# Altium PCB PCB.PcbDoc
Units mil, origin at the board's own origin, x right, y up, seen from the top; angles counter-clockwise.
Board outline 1574.8 x 1574.8 mil, 4 copper layers (Top Layer, Layer 1, Layer 2, Bottom Layer), stack 23.756 mil thick; 100 components, 88 nets, 359 pads, 344 vias.
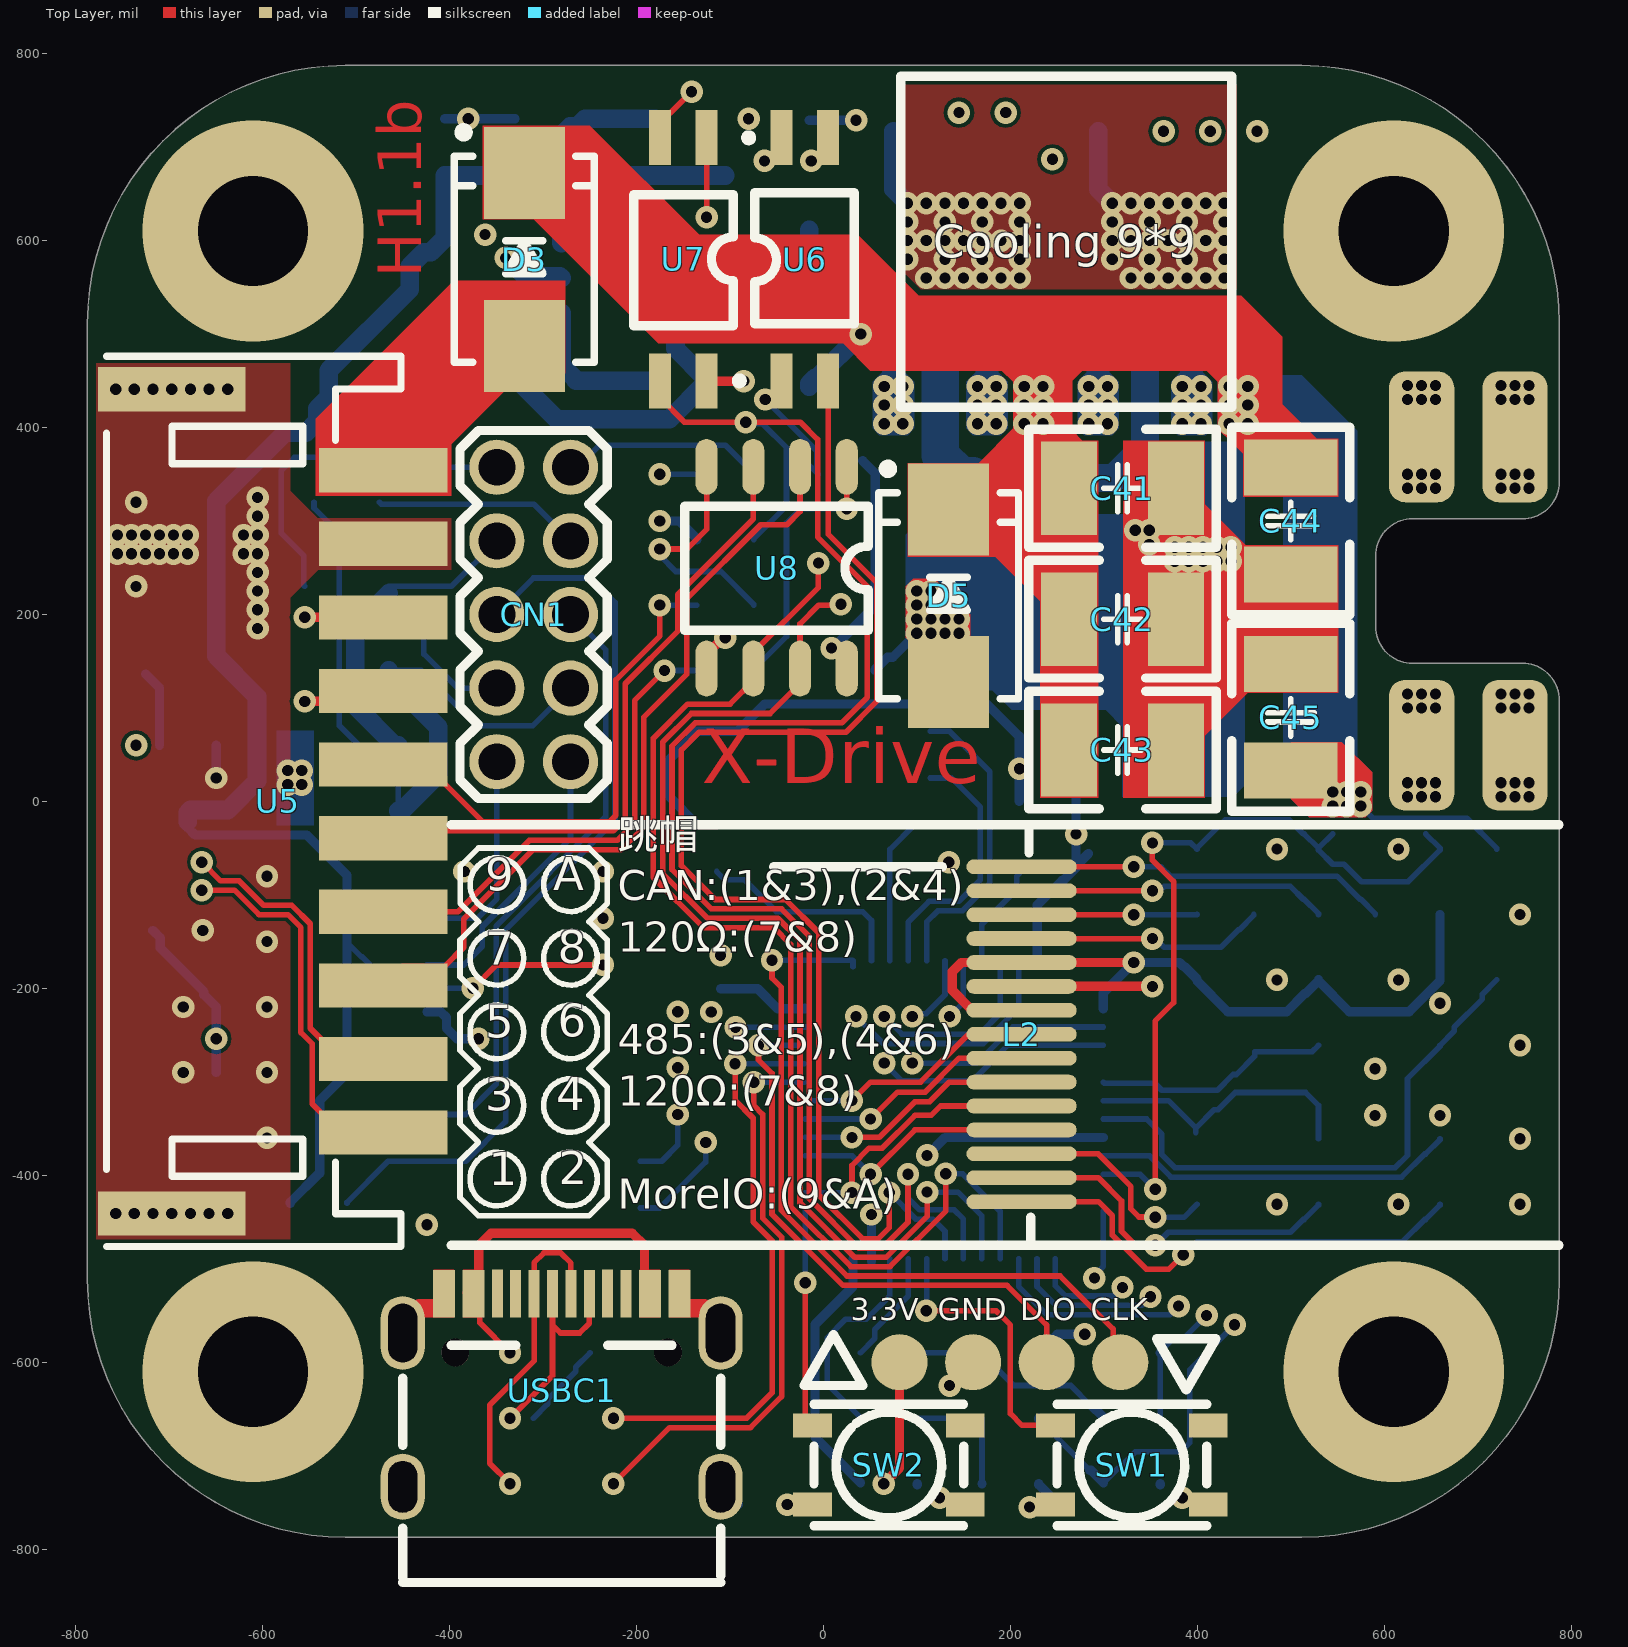
[diagram p0: Top Layer view]
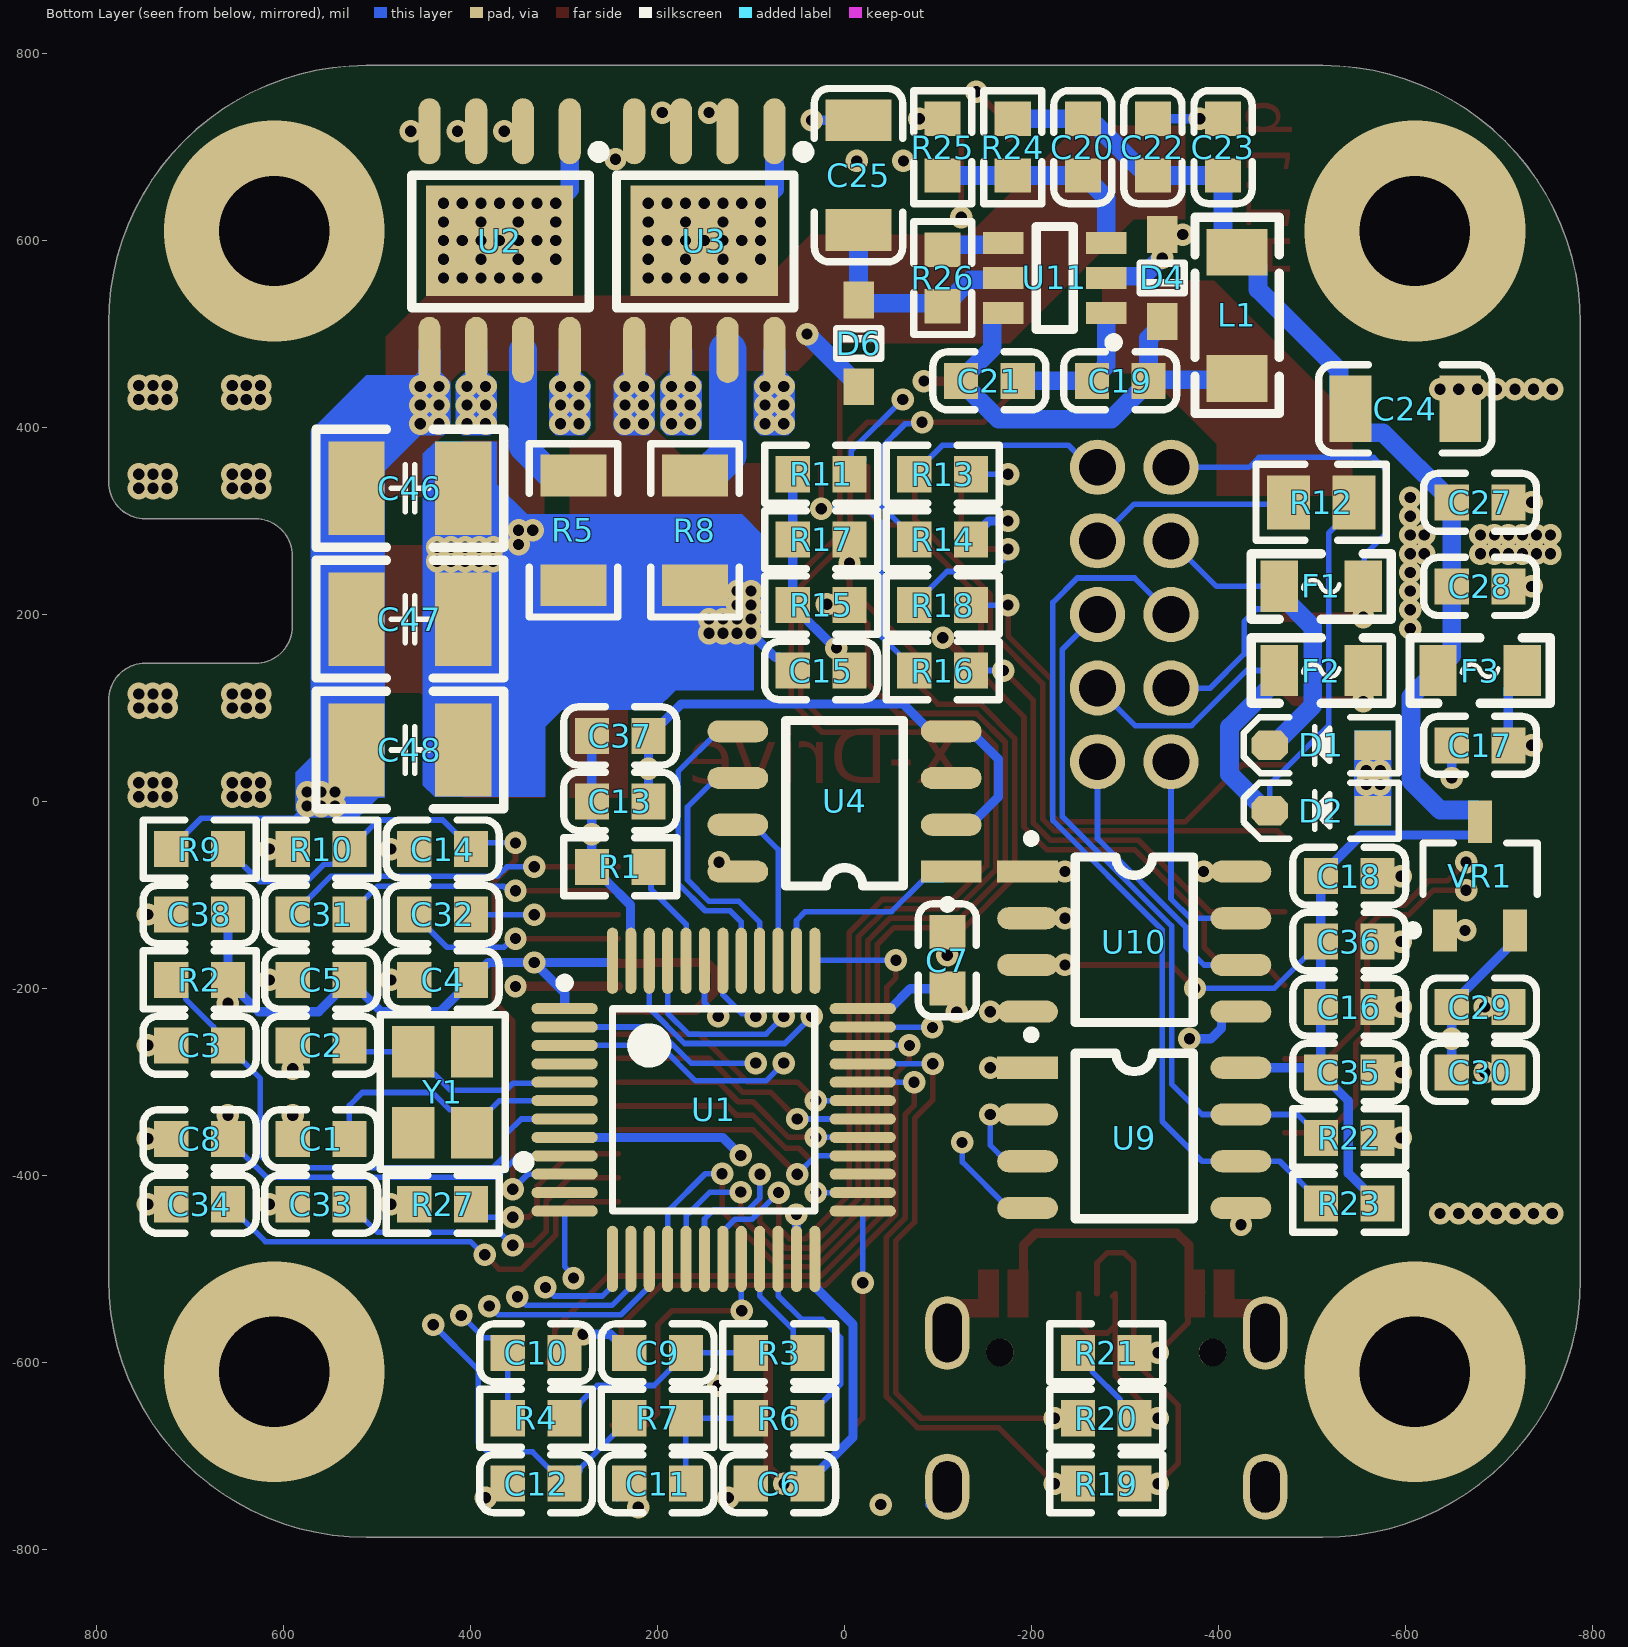
[diagram p1: Bottom Layer view, seen from below]
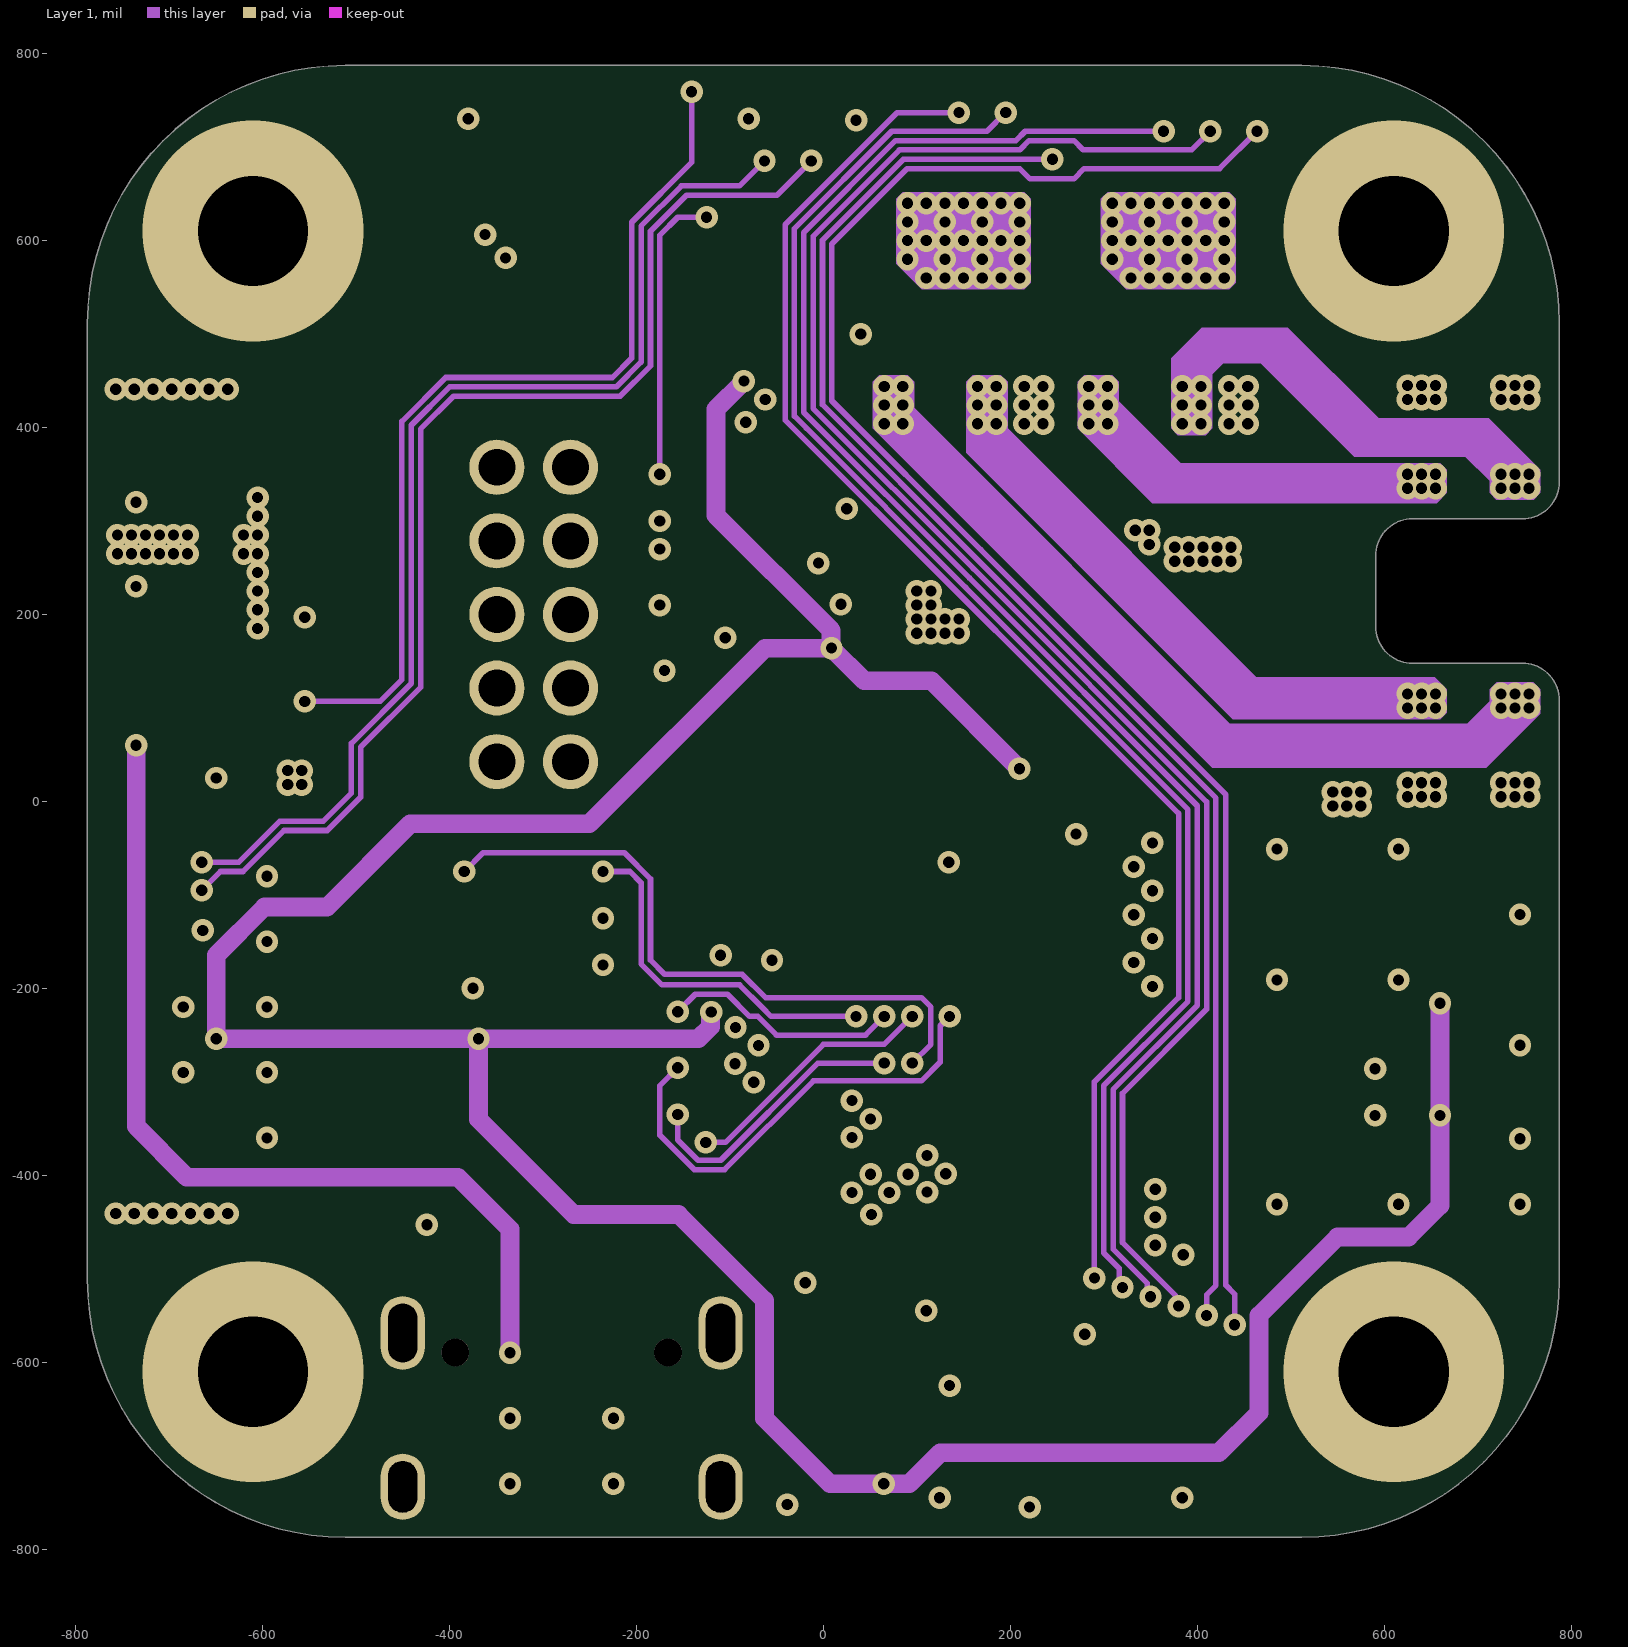
[diagram p2: Layer 1]
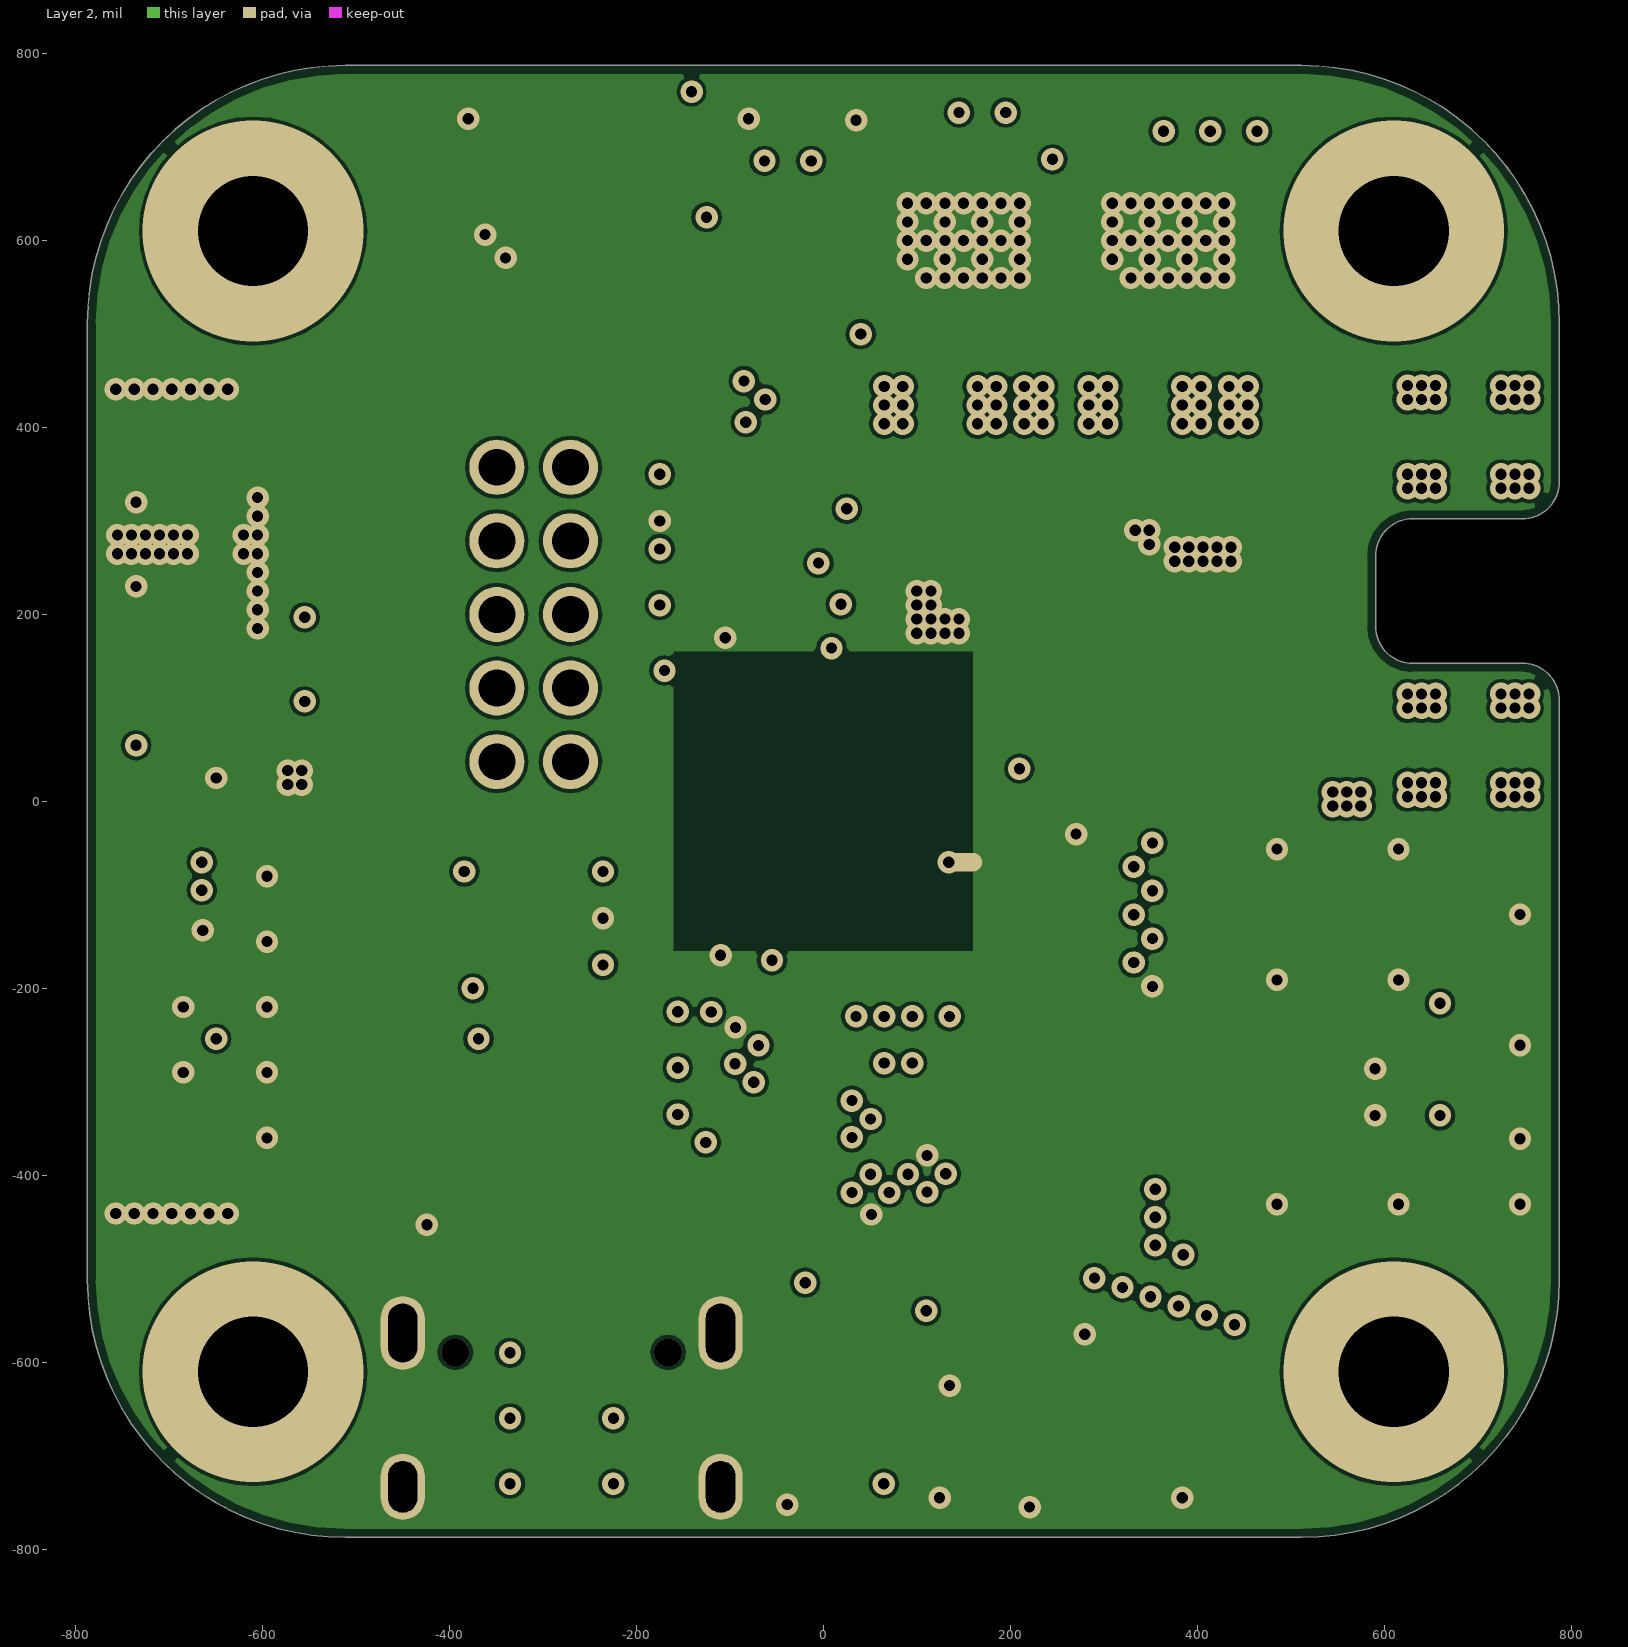
[diagram p3: Layer 2]
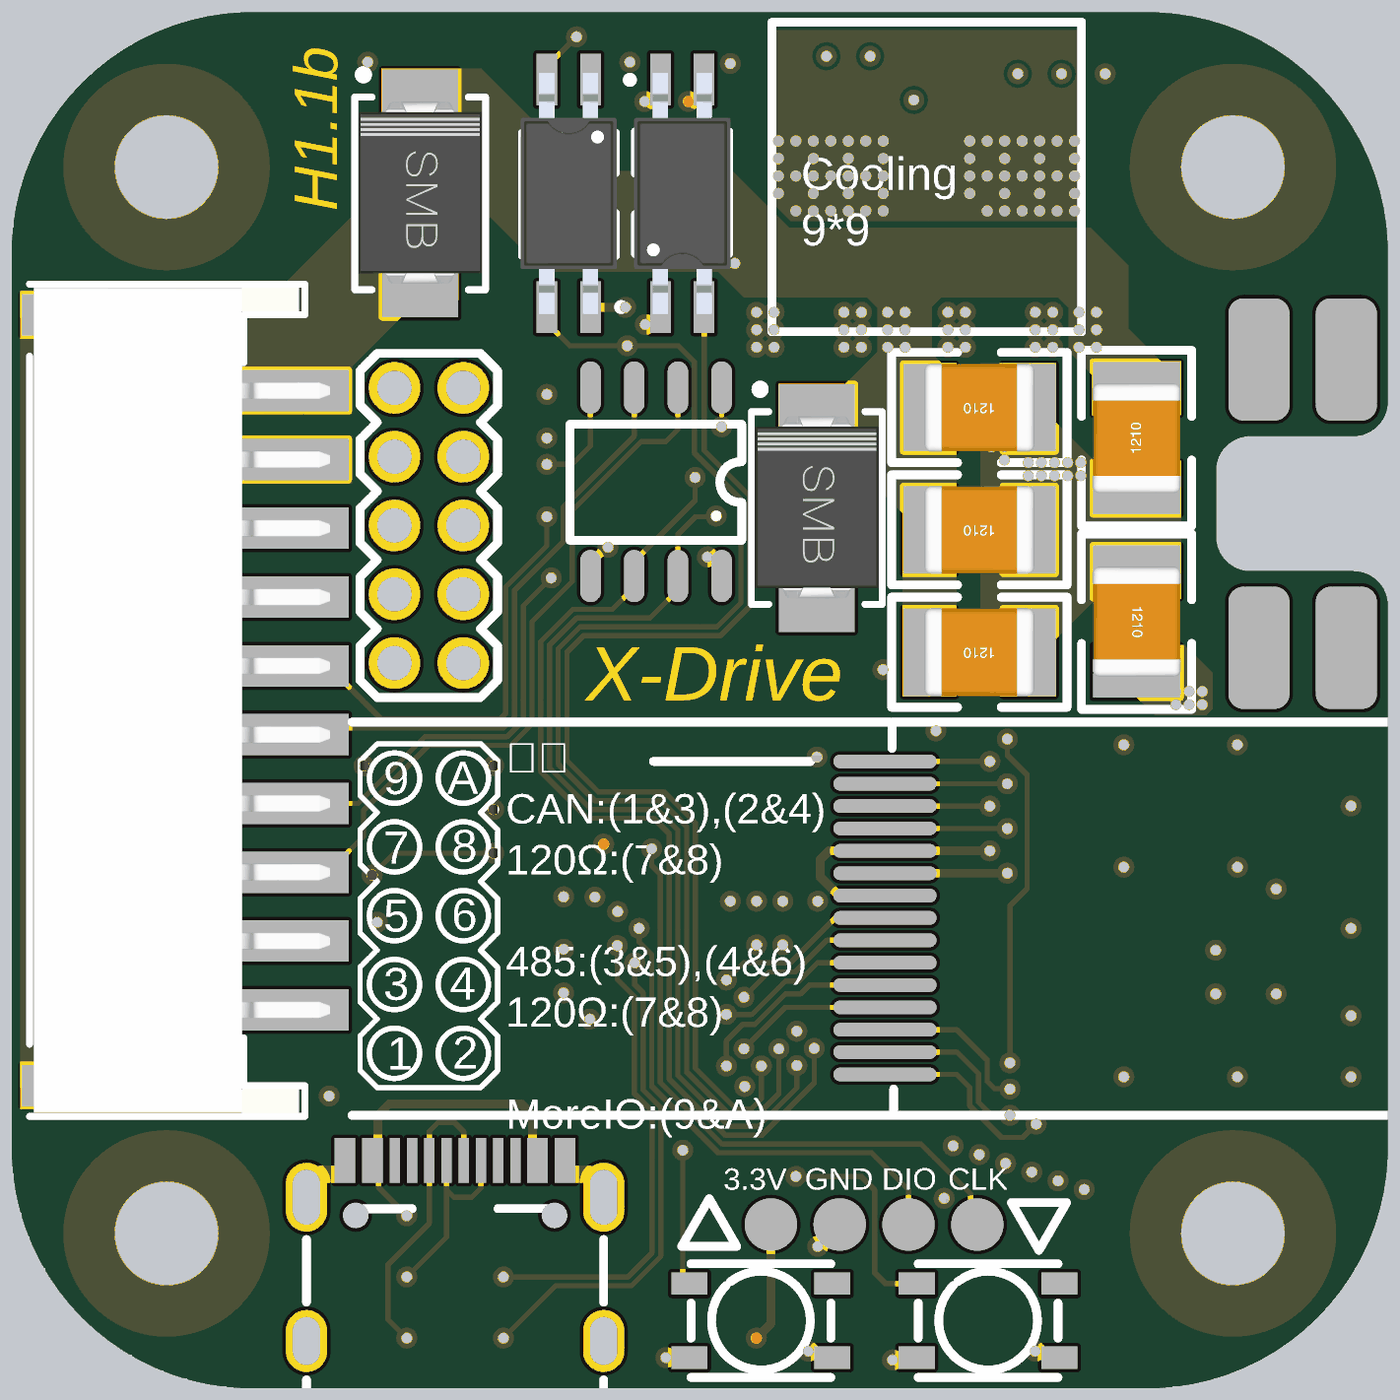
[diagram p4: 3D render of the assembled board from above, using the file's embedded part models]
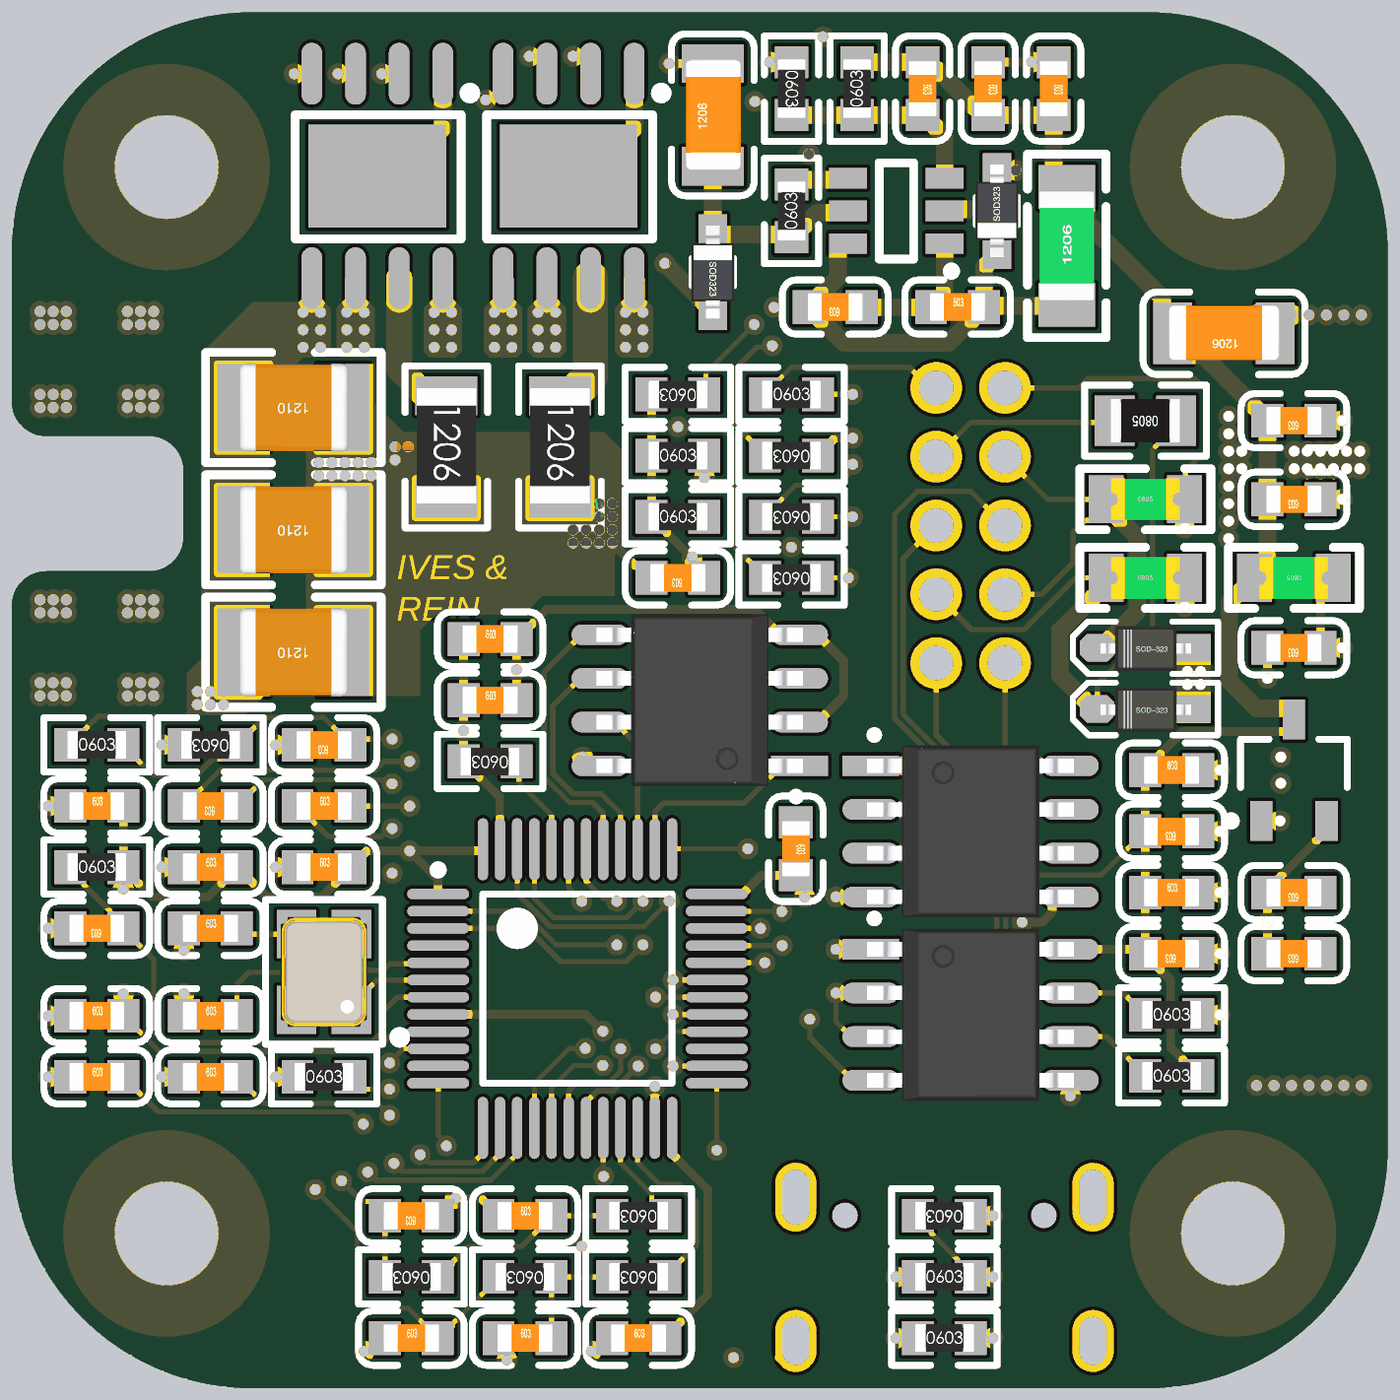
[diagram p5: 3D render of the assembled board from below, using the file's embedded part models]

## Layer stack, top to bottom
Top Solder: solder mask 0.4, Solder Resist, Dk 3.5
Top Layer: signal copper 1.4
Dielectric 2: prepreg 2.8, PP-006, Dk 4.1
Layer 1: signal copper 1.378
Dielectric 1: dielectric 12.6, FR-4, Dk 4.8
Layer 2: signal copper 1.378
Dielectric 3: prepreg 2.8, PP-006, Dk 4.1
Bottom Layer: signal copper 1.4
Bottom Solder: solder mask 0.4, Solder Resist, Dk 3.5

## Board outline
-787.4,-511.81 ccw(c-511.81,-511.81) -511.81,-787.4 511.81,-787.4 ccw(c511.81,-511.81) 787.4,-511.81 787.4,108.35 ccw(c748.03,108.35) 748.03,147.72 630.24,147.72 cw(c630.24,187.09) 590.87,187.09 590.87,262.91 cw(c630.24,262.91) 630.24,302.28 748.03,302.28 ccw(c748.03,341.65) 787.4,341.65 787.4,511.81 ccw(c511.81,511.81) 511.81,787.4 -511.81,787.4 ccw(c-511.81,511.81) -787.4,511.81

## Design rules (kind name [scope] priority, off if disabled: settings)
Clearance [All] p1: gap=4 ignorepadtopadclearanceinfootprint=FALSE
ComponentClearance [All] p1: gap=0 collisioncheckmode=3 verticalgap=10 showdistances=TRUE
PolygonConnect [All] p1: connectstyle=Direct reliefconductorwidth=10 reliefentries=4 polygonreliefangle="90 Angle" airgapwidth=10
RoutingVias [All] p1: holewidth=12 width=24 viastyle="Through Hole" minholewidth=8 minwidth=18 maxholewidth=1200 maxwidth=2400
SolderMaskExpansion [All] p1: expansion=4 istentingtop=FALSE
Width [All] p1: maxlimit=100 minlimit=4 preferedwidth=6
29 further rules are at their usual default settings.

## Classes and differential pairs
component class UI: C31 C32 C33 C34 C38 L2 R27 SW1 SW2
component class Sensor: C13 C14 C37 R9 R10 U4
component class Power: C19 C20 C21 C22 C23 C24 C25 C27 C28 C29 C30 C41 C42 C43 C44 C45 C46 C47 C48 D3 D4 D5 D6 F3 L1 R24 R25 R26 U11 VR1
component class Port: C15 C16 C17 C18 C35 C36 CN1 D1 D2 F1 F2 R11 R12 R13 R14 R15 R16 R17 R18 R19 R20 R21 R22 R23 T1 U5 U6 U7 U8 U9 U10 USBC1
component class MCU: C1 C2 C3 C4 C5 C6 C7 C8 R1 R2 U1 Y1
component class Drive: C9 C10 C11 C12 R3 R4 R5 R6 R7 R8 U2 U3

## Components (designator, comment, footprint, x,y, rotation, side; value= is the part's Value field where it differs from the comment)
C1 "20pF (200) 5% 50V" 0603_C 560,-361 r180 bottom
C2 "20pF (200) 5% 50V" 0603_C 560,-261 r180 bottom
C3 "100nF (104) 10% 50V" 0603_C 690,-261 r0 bottom
C4 "100nF (104) 10% 50V" 0603_C 430,-191 r180 bottom
C5 "100nF (104) 10% 50V" 0603_C 560,-191 r180 bottom
C6 "100nF (104) 10% 50V" 0603_C 70,-730 r180 bottom
C7 "100nF (104) 10% 50V" 0603_C -110,-170 r270 bottom
C8 "100nF (104) 10% 50V" 0603_C 690,-361 r180 bottom
C9 "100nF (104) 10% 50V" 0603_C 200,-590 r180 bottom
C10 "100nF (104) 10% 50V" 0603_C 330,-590 r0 bottom
C11 "100nF (104) 10% 50V" 0603_C 200,-730 r180 bottom
C12 "100nF (104) 10% 50V" 0603_C 330,-730 r180 bottom
C13 "100nF (104) 10% 50V" 0603_C 240,0 r180 bottom
C14 "100nF (104) 10% 50V" 0603_C 430,-51 r0 bottom
C15 "10uF (106) 10% 10V" 0603_C 25,140 r0 bottom
C16 "100nF (104) 10% 50V" 0603_C -540,-220 r180 bottom
C17 "100nF (104) 10% 50V" 0603_C -680,60 r0 bottom
C18 "100nF (104) 10% 50V" 0603_C -540,-80 r180 bottom
C19 "100nF (104) 10% 50V" 0603_C -295,450 r180 bottom
C20 "100pF (101) 5% 50V" 0603_C -255,700 r270 bottom
C21 "100nF (104) 10% 50V" 0603_C -155,450 r0 bottom
C22 "100nF (104) 10% 50V" 0603_C -330,700 r270 bottom
C23 "10uF (106) 10% 10V" 0603_C -405,700 r270 bottom
C24 "47uF (106) 20% 10V" 1206_C -600,420 r0 bottom
C25 "4.7uF (475) 10% 50V" 1206_C -15,670 r90 bottom
C27 "100nF (104) 10% 50V" 0603_C -680,320 r0 bottom
C28 "10uF (106) 10% 10V" 0603_C -680,230 r0 bottom
C29 "100nF (104) 10% 50V" 0603_C -680,-220 r0 bottom
C30 "10uF (106) 10% 10V" 0603_C -680,-290 r0 bottom
C31 "1uF (105) 10% 16V" 0603_C 560,-121 r0 bottom
C32 "1uF (105) 10% 16V" 0603_C 430,-121 r180 bottom
C33 "1uF (105) 10% 16V" 0603_C 560,-431 r180 bottom
C34 "1uF (105) 10% 16V" 0603_C 690,-431 r180 bottom
C35 "10uF (106) 10% 10V" 0603_C -540,-290 r0 bottom
C36 "10uF (106) 10% 10V" 0603_C -540,-150 r0 bottom
C37 "10uF (106) 10% 10V" 0603_C 240,70 r180 bottom
C38 "10uF (106) 10% 10V" 0603_C 690,-121 r180 bottom
C41 "100uF (107) 20% 50V" "C 1210_L" 320,335 r180 top
C42 "100uF (107) 20% 50V" "C 1210_L" 320,195 r180 top
C43 "100uF (107) 20% 50V" "C 1210_L" 320,55 r180 top
C44 "NC" "C 1210_L" 500,300 r90 top
C45 "NC" "C 1210_L" 500,90 r270 top
C46 "NC" "C 1210_L" 465,335 r0 bottom
C47 "NC" "C 1210_L" 465,195 r0 bottom
C48 "NC" "C 1210_L" 465,55 r0 bottom
CN1 "双排插针-2X5P" A2005WV-2X5P -310,200 r90 top
D1 "SESD3Z12C" SOD-323#1 -510,60 r0 bottom
D2 "SESD3Z12C" SOD-323#1 -510,-10 r0 bottom
D3 "SS54" SMB -320,580 r90 top
D4 "B5819WS" SOD-323#2 -340,560 r90 bottom
D5 "SMBJ28CA" SMB 134,220 r90 top
D6 "B5819WS" SOD-323#2 -15,490 r270 bottom
F1 "SMD0805-020" "FU 0805" -510,230 r180 bottom
F2 "SMD0805-020" "FU 0805" -510,140 r180 bottom
F3 "SMD0805-050" "FU 0805" -680,140 r0 bottom
L1 "6.8UH 6R8" "L 1206" -420,520 r90 bottom
L2 "OLED12832" "PCBComponent_1 - duplicate" -93,-50 r180 top
R1 "10KΩ (1002) ±1%" 0603_R 240,-70 r0 bottom
R2 "10KΩ (1002) ±1%" 0603_R 690,-191 r180 bottom
R3 "1KΩ (1001) ±1%" 0603_R 70,-590 r0 bottom
R4 "1KΩ (1001) ±1%" 0603_R 330,-660 r0 bottom
R5 "0.1Ω (R100) ±1%" 1206_R 290,290 r270 bottom
R6 "1KΩ (1001) ±1%" 0603_R 70,-660 r0 bottom
R7 "1KΩ (1001) ±1%" 0603_R 200,-660 r0 bottom
R8 "0.1Ω (R100) ±1%" 1206_R 160,290 r270 bottom
R9 "10KΩ (1002) ±1%" 0603_R 690,-51 r180 bottom
R10 "1KΩ (1001) ±1%" 0603_R 560,-51 r0 bottom
R11 "200Ω (2000) ±1%" 0603_R 25,350 r0 bottom
R12 "120Ω (1200) ±1%" 0805_R -510,320 r0 bottom
R13 "200Ω (2000) ±1%" 0603_R -105,350 r180 bottom
R14 "1KΩ (1001) ±1%" 0603_R -105,280 r0 bottom
R15 "1KΩ (1001) ±1%" 0603_R 25,210 r180 bottom
R16 "200Ω (2000) ±1%" 0603_R -105,140 r0 bottom
R17 "1KΩ (1001) ±1%" 0603_R 25,280 r180 bottom
R18 "200Ω (2000) ±1%" 0603_R -105,210 r0 bottom
R19 "22Ω (22R0) ±1%" 0603_R -280,-730 r180 bottom
R20 "22Ω (22R0) ±1%" 0603_R -280,-660 r180 bottom
R21 "1.5KΩ (1501) ±1%" 0603_R -280,-590 r0 bottom
R22 "12KΩ (1202) ±1%" 0603_R -540,-360 r180 bottom
R23 "12KΩ (1202) ±1%" 0603_R -540,-430 r180 bottom
R24 "10KΩ (1002) ±1%" 0603_R -180,700 r90 bottom
R25 "1.91KΩ (1901) ±1%" 0603_R -105,700 r270 bottom
R26 "1MΩ (1004) ±1%" 0603_R -105,560 r90 bottom
R27 "1MΩ (1004) ±1%" 0603_R 430,-431 r180 bottom
SW1 "SKRPABE010" KEY-SMD-4P_L4.20-W3.20 330,-710 r180 top
SW2 "SKRPABE010" KEY-SMD-4P_L4.20-W3.20 70,-710 r180 top
U1 "STM32F103CBT6" LQFP48_N 140,-330 r180 bottom
U2 "TB67H450" SOIC-8_EP_150MIL 369,600 r270 bottom
U3 "TB67H450" SOIC-8_EP_150MIL 150,600 r270 bottom
U4 "MT6816" SOIC_8 0,0 r90 bottom
U5 "A2001WR-S-10PD01" PH2.0-WS-10P -697,0 r270 top
U6 "EL3H7(B)(TA)-G" SOP4 -20,580 r270 top
U7 "EL3H7(B)(TA)-G" SOP4 -150,580 r90 top
U8 "EL0631" SOIC-8_L5.0-W4.0-P1.27-LS6.0-BL -50,250 r180 top
U9 "SN75176BDR" SOIC_8 -310,-360 r270 bottom
U10 "CAN/TJA1051T/3" SOIC_8 -310,-150 r270 bottom
U11 "ME3116AM6G" SOT-23-6 -225,560 r180 bottom
USBC1 "TYPE-C-31-M-12" USB-C_SMD-TYPE-C-31-M-12 -280,-630 r0 top
VR1 "ME6206A33M3G" SOT-23-3L -680,-80 r270 bottom
Y1 "12MHZ 20PF 10PPM" SMD-3225_4P 430,-311 r90 bottom
